# KiCad board LV_PCB.kicad_pcb (continued)
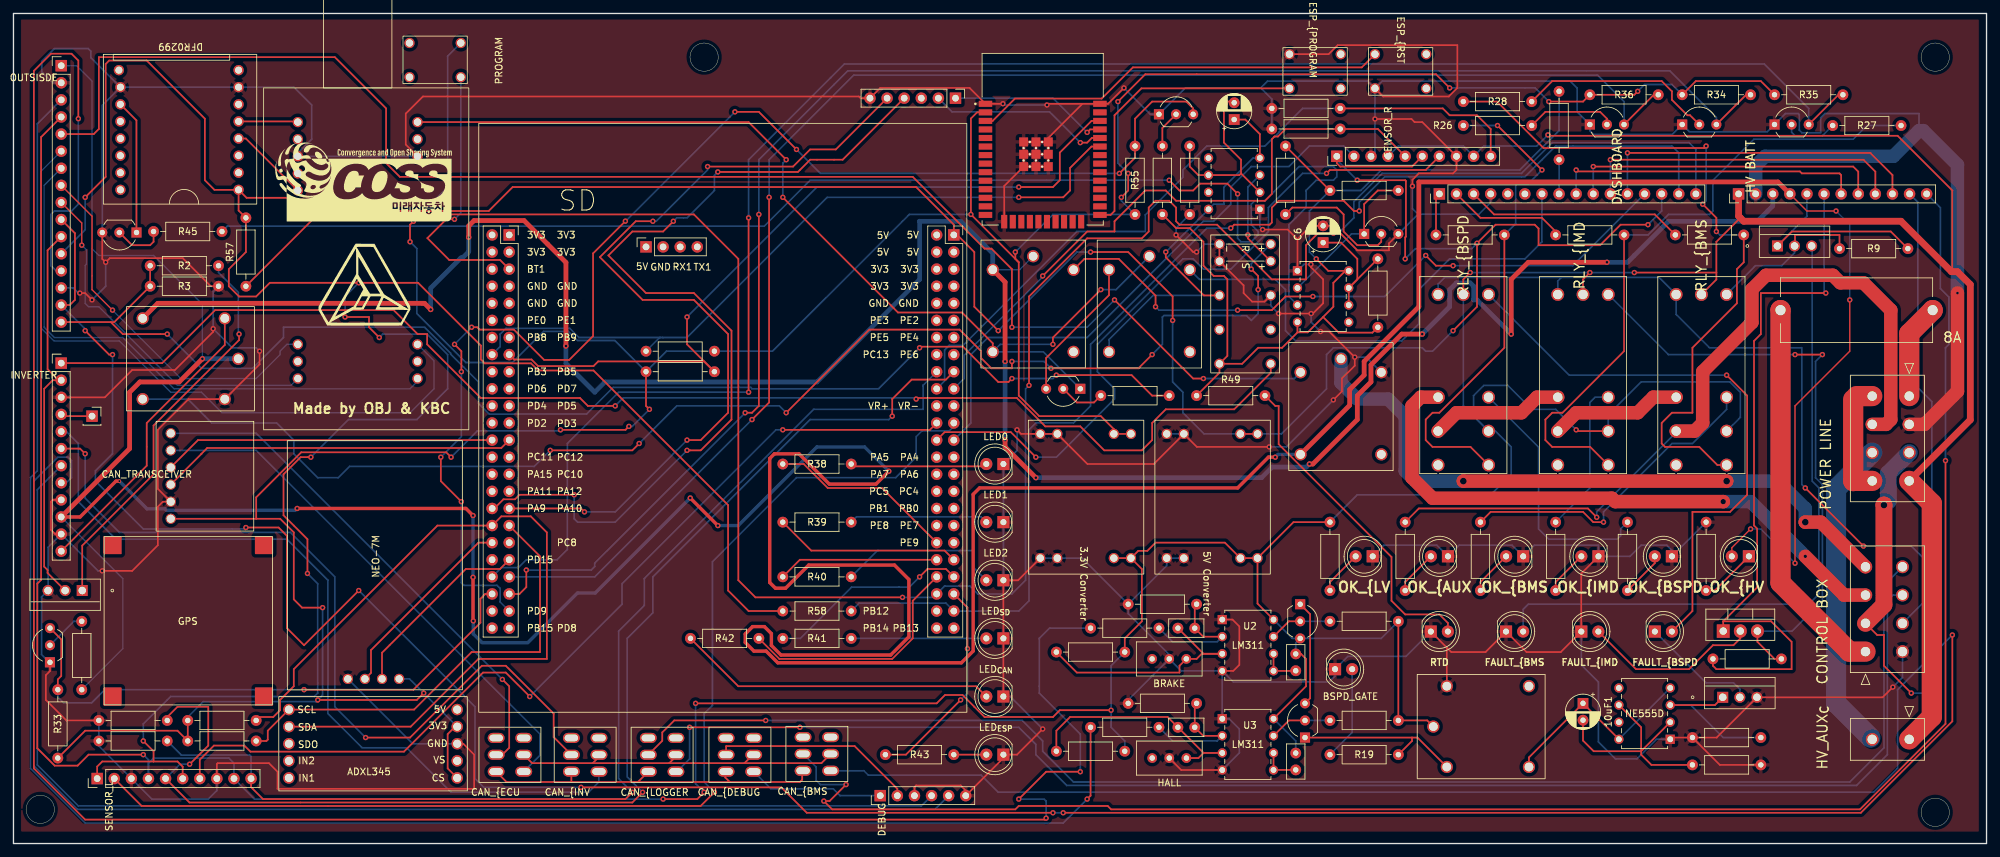
[diagram p0: board, top side]
## Routing (per net, layer and track width the routed paths; a pad name or vN(x,y) marks a point on that pad's centre or on a via; arc(x,y) is an arc through that point) (continued)
RTD_BUTTON: length 76.5
  Bottom w0.25: DASHBOARD.7 227.06,89.41 224.52,86.87 213.34,86.87 208.77,82.3 208.77,77.22 206.23,74.68 190.48,74.68 188.96,76.2 188.96,82.3 187.44,83.82 176.18,83.82 K5.6
RTD_LED: length 5.1
  Bottom w0.25: R48.2 DASHBOARD.8
RTD_RESET: length 204.4
  Top w0.25: v1(184.9,82.3) 184.9,84.33 v1(183.88,85.34) ; v1(154.12,70.61) 167.12,70.61 v1(169.15,72.64) ; v1(92.95,59.44) 91.93,58.42 v1(79.74,58.42) ; v1(114.79,64.01) 127.14,76.36 140.54,76.36 143.75,73.15 143.75,72.14 145.27,70.61 148.32,70.61 v1(148.32,71.63)
  Bottom w0.25: v1(184.9,82.3) 184.9,78.74 183.88,77.72 183.16,78.45 170.89,78.45 170.67,78.23 170.67,74.17 v1(169.15,72.64) ; v1(114.79,64.01) 113.78,65.02 98.54,65.02 v1(92.95,59.44) ; v1(183.88,85.34) 183.88,86.17 186.77,89.06 ; v1(154.12,70.61) 153.11,71.63 v1(148.32,71.63) ; v1(79.74,58.42) 77.36,56.04 49.93,56.04 48.24,54.36 45.2,54.36 41.64,57.91 41.64,59.94 39.1,62.48 29.45,62.48 25.9,66.03 K3.1
SPK_L+: length 100.2
  Bottom w0.2: OUTSISDE.6 4.05,99.82 4.05,76.65 6.02,74.68 15.73,74.68 23.35,67.06 27.92,67.06 30.97,64.01 58.91,64.01 62.47,67.56 62.47,71.72 U8.3
SPK_L-: length 84.8
  Bottom w0.2: OUTSISDE.7 4.56,97.79 4.56,76.71 6.08,75.18 16.24,75.18 23.86,67.56 58.91,67.56 60.02,68.68 U8.4
SPK_R+: length 55.8
  Top w0.2: v1(14.72,79.25) 11.67,82.3 11.67,93.22 OUTSISDE.8
  Bottom w0.2: v1(14.72,79.25) 24.88,69.09 36.05,69.09 39.61,72.64 39.61,73.15 40.62,74.17 42.24,74.17
SPK_R-: length 53.7
  Top w0.2: v1(10.14,88.9) 10.14,92.2 OUTSISDE.9
  Bottom w0.2: 42.24,69.09 41.23,68.07 24.37,68.07 12.68,79.76 11.16,79.76 10.65,80.26 10.65,85.88 10.84,86.07 10.84,88.2 v1(10.14,88.9)
STM_{RX}: length 127
  Top w0.25: U15.69 84.31,49.78 v1(84.82,49.28) ; v1(94.98,92.46) 92.44,92.46 87.11,87.12 93.46,80.77 101.08,80.77 106.16,75.69 106.16,64.01 102.09,59.94 v1(100.06,59.94) ; v1(103.11,100.58) 115.81,100.58 118.35,103.12 122.16,103.12 J11.5
  Bottom w0.25: v1(103.11,100.58) 103.11,100.08 95.49,92.46 v1(94.98,92.46) ; v1(84.82,49.28) 89.39,49.28 v1(100.06,59.94)
STM_{TX}: length 137.5
  Top w0.25: v1(104.63,99.78) 116.53,99.78 118.35,101.6 123.17,101.6 J11.4 ; v1(83.3,51.82) 75.17,51.82 74.5,51.15 72.79,51.15 71.42,49.78 U15.68 ; v1(98.03,92.46) 96.5,90.93 91.93,90.93 88.38,87.38 93.96,81.79 101.08,81.79 106.66,76.2 106.66,62.99 102.09,58.42 v1(100.06,58.42)
  Bottom w0.25: v1(83.3,51.82) 83.3,48.26 83.8,47.75 89.39,47.75 v1(100.06,58.42) ; v1(98.03,92.46) 98.54,92.96 100.06,92.96 104.12,97.03 104.12,99.28 v1(104.63,99.78)
SW_{RTD_EN}: length 98
  Top w0.25: v1(209.79,87.38) 211.31,85.85 v1(213.85,85.85) ; v1(193.02,81.28) 188.96,81.28 186.93,79.25 v1(181.85,79.25) ; v1(169.66,79.76) 169.66,81.41 164.2,86.87 159.09,86.87 K4.6
  Bottom w0.25: v1(213.85,85.85) 231.63,85.85 DASHBOARD.13 ; v1(209.79,87.38) 203.69,81.28 v1(193.02,81.28) ; v1(181.85,79.25) 170.16,79.25 v1(169.66,79.76)
Net-(10uF1-Pad1): length 31.1
  Top w0.25: U1.8 10uF1.1 225.12,12.8 K1.14
  Bottom w0.25: U1.4 U1.8
Net-(10uF1-Pad2): length 35.4
  Top w0.25: 10uF1.2 233.16,15.3 234.74,13.72 241.79,13.72 ; 241.79,13.72 241.79,17.27 U1.6 ; 241.79,13.72 U1.2 ; 241.79,13.72 241.79,13.21 243.32,11.68 R18.1
Net-(C1-Pad2): length 5.9
  Top w0.25: C1.2 190.46,25.65 U2.5 U2.6
Net-(C2-Pad2): length 5.9
  Top w0.25: C2.2 187.2,10.94 U3.5 U3.6
Net-(C3-Pad1): length 18.8
  Top w0.25: R22.1 175.48,35.29 C3.1 176.75,30.73 U2.2
  Bottom w0.25: U2.2 178.8,29.97 172.2,29.97 R29.1
Net-(C3-Pad2): length 35.8
  Top w0.25: C3.2 176.79,28.19 U2.3 176.51,28.19 175.75,27.43 RV1.1 173.21,26.42 173.21,25.4 157.97,25.4 R30.1
Net-(C4-Pad1): length 18.8
  Top w0.25: R23.1 175.48,20.55 C4.1 176.75,16 U3.2
  Bottom w0.25: U3.2 178.8,15.24 172.2,15.24 R32.1
Net-(C4-Pad2): length 33.6
  Top w0.25: 176.79,13.46 C4.2 171.45,18.8 156.96,18.8 154.92,16.76 R31.1 ; 176.79,13.46 176.03,12.7 174.23,12.7 ; 176.79,13.46 U3.3
Net-(C5-Pad1): length 61.6
  Top w0.25: v1(171.18,87.89) 171.18,87.1 176.83,81.44 K6.13 ; U13.4 185.15,105.41 182.99,107.57 C5.1
  Bottom w0.25: K5.14 162.75,74.88 169.31,81.44 K6.13 ; U13.4 184.13,101.85 179.82,97.54 179.82,95 178.29,95 U13.8 177.53,94.23 171.19,87.89 v1(171.18,87.89)
Net-(C5-Pad2): length 28.6
  Top w0.25: C5.2 181.17,110.24 179.82,110.24 179.82,104.14 182.36,101.6 182.36,99.57 ; 182.36,99.57 U13.2 ; 182.36,99.57 182.1,99.31 U13.6 176.01,99.31 174.74,100.58 R44.2
Net-(C6-Pad1): length 19.6
  Top w0.25: U14.7 U14.6 ; U14.7 199.63,83.82 199.63,86.87 197.22,89.28 C6.1 ; U14.7 R46.1
Net-(D1-Pad2): length 6.7
  Top w0.25: R1.2 195.56,38.86 D1.2
Net-(D2-Pad2): length 100.3
  Bottom w0.25: Q2.3 267.19,88.71 267.19,53.85 268.21,52.83 268.21,37.08 266.68,35.56 225.03,35.56 224.26,34.79 D2.2
Net-(D3-Pad2): length 6.7
  Top w0.25: D3.2 206.74,38.86 R4.2
Net-(D4-Pad2): length 6.7
  Top w0.25: R10.2 217.92,38.86 221.73,42.67
Net-(D5-Pad2): length 26.4
  Top w0.25: 235.44,31.5 241.03,25.91 248.9,25.91 252.46,29.46 255.51,29.46 256.52,30.48 Q3.2
Net-(D6-Pad2): length 6.7
  Top w0.25: D6.2 229.09,38.86 R13.2
Net-(D7-Pad1): length 17.4
  Bottom w0.25: D7.1 251.44,23.88 255.51,23.88 256.45,22.93 Q4.2
Net-(D7-Pad2): length 87.6
  Top w0.25: D7.2 249.41,34.54 249.41,49.28 255,49.28 257.54,51.82 257.54,66.55 v1(254.49,69.6)
  Bottom w0.25: v1(254.49,69.6) 231.11,69.6 RLY3.2
Net-(D8-Pad2): length 6.8
  Top w0.25: R15.2 243.82,41.66 D8.2
Net-(D9-Pad2): length 14.1
  Bottom w0.25: D9.2 198.86,16.51 R19.2
Net-(D10-Pad1): length 8.5
  Top w0.25: R25.1 252.72,37.59 D10.1
Net-(D11-Pad2): length 20.4
  Top w0.25: D11.2 144.17,56.04 124.79,56.04 R38.2
Net-(D12-Pad2): length 20.7
  Bottom w0.25: D12.2 143.72,48.55 125.24,48.55 R39.2
Net-(D13-Pad2): length 25
  Bottom w0.25: R40.2 128.35,43.53 142.63,43.53 142.63,41 D13.2
Net-(D14-Pad2): length 20.1
  Bottom w0.25: D14.2 R41.2
Net-(D15-Pad2): length 47.5
  Top w0.25: R42.2 107.68,23.37 142.99,23.37 D15.2
Net-(D16-Pad2): length 5.1
  Top w0.25: R43.2 144.76,13.21
Net-(D17-Pad2): length 49.6
  Top w0.25: R49.2 187.44,65.02 187.94,65.02 187.94,59.33 204.71,42.57 204.71,36.07 206.74,34.04 211.82,34.04 213.09,32.77 D17.2
Net-(J1-Pad4): length 4.7
  Top w0.25: INVERTER.4 7.36,63.5 J12.1
Net-(J1-Pad7): length 181.9
  Bottom w0.25: DEBUG.4 134.86,5.59 9.64,5.59 3.54,11.68 3.54,52.58 INVERTER.7
Net-(J1-Pad8): length 193.4
  Bottom w0.25: DEBUG.5 136.89,5.08 9.51,5.08 3.03,11.56 3.03,53.85 6.59,57.4 8.11,57.4 8.62,56.9 8.62,54.36 7.86,53.6 INVERTER.8
Net-(J2-Pad7): length 46
  Top w0.25: v1(232.14,100.08) 232.36,99.86 265.38,99.86 265.67,99.57 271.26,99.57 271.5,99.32 HV BATT.7
  Bottom w0.25: v1(232.14,100.08) DASHBOARD.9
Net-(J2-Pad8): length 47
  Top w0.25: v1(234.68,100.58) 273.29,100.58 274.04,99.83 274.04,96.52
  Bottom w0.25: v1(234.68,100.58) DASHBOARD.10
Net-(J2-Pad9): length 48.5
  Top w0.25: v1(237.22,101.6) 274.81,101.6 276.59,99.83 HV BATT.9
  Bottom w0.25: v1(237.22,101.6) DASHBOARD.11
Net-(J2-Pad10): length 49.6
  Top w0.25: HV BATT.10 279.12,99.32 275.83,102.62 v1(239.76,102.62)
  Bottom w0.25: v1(239.76,102.62) DASHBOARD.12
Net-(K1-Pad2): length 26.3
  Top w0.25: 207.76,15.75 207.76,15.24 R19.1 ; 207.76,15.75 Q6.1 ; 207.76,15.75 208.56,15.75 K1.2
Net-(K4-Pad14): length 149.4
  Top w0.25: v1(114.28,96.01) 131.4,78.9 140.9,78.9 145.48,74.33 K4.14 ; v1(154.41,74.17) 154.41,75.18 v1(161.53,82.3) ; v1(114.79,101.6) 109.2,107.19 U8.1
  Bottom w0.25: v1(114.79,101.6) 114.28,101.09 v1(114.28,96.01) ; Q11.1 152.99,73.06 K4.14 146.59,74.17 v1(154.41,74.17) ; K5.7 163.79,82.3 v1(161.53,82.3)
Net-(K5-Pad2): length 21.6
  Top w0.25: K5.2 162.75,81.48 153.4,72.14 Q11.3
Net-(K6-Pad2): length 14.9
  Top w0.25: 186.77,86.52 183.37,89.92 v1(183.37,90.42)
  Bottom w0.25: v1(183.37,90.42) 183.37,97.54 U13.3
Net-(K6-Pad9): length 143.2
  Top w0.25: R47.1 172.7,91.44 174.74,91.44 176.77,89.41 176.77,85.85 178.29,84.33 179.82,84.33 180.32,83.82 180.32,72.45 K6.9 ; R49.1 179.15,69.95 K6.9 ; R51.2 R50.2 ; 190.74,75.95 U14.4 ; 190.74,75.95 188.45,73.66 184.9,73.66 182.52,71.28 K6.9 ; 190.74,75.95 192.26,75.95 194.55,78.23 ; 194.55,78.23 196.87,75.91 201.88,75.91 R46.2 ; 194.55,78.23 196.07,79.76 196.07,83.31 197.85,85.09 U14.8 195.31,85.09 v1(193.53,86.87)
  Bottom w0.25: v1(193.53,86.87) 192.52,87.88 192.52,93.98 R50.2 200.14,97.03 203.18,100.08 223.76,100.08 229.6,105.92 R48.1
Net-(Q1-Pad1): length 58.7
  Top w0.25: 10.22,38.03 10.22,44.27 20.81,54.86 20.81,62.1 33.51,74.8 v1(33.51,75.69)
  Bottom w0.25: v1(33.51,75.69) 33.4,75.8 33.4,81.9 30.46,84.84 R2.1
Net-(Q2-Pad2): length 24
  Top w0.25: R9.2 271.26,90.42 264.65,90.42 264.65,88.86 Q2.2
  Bottom w0.25: RLY1.2 258.76,85.85 262.66,85.85 264.58,87.77 Q2.2
Net-(Q3-Pad3): length 90.6
  Top w0.25: Q3.3 259.06,29.97 261.6,27.43 R12.1 ; v1(268.72,72.64) v1(264.65,72.64)
  Bottom w0.25: v1(264.65,72.64) 245.84,72.64 RLY2.2 ; Q3.3 264.22,31.57 268.72,36.07 268.72,53.34 267.7,54.36 267.7,71.63 v1(268.72,72.64)
Net-(Q4-Pad1): length 23.7
  Top w0.25: U1.3 252.76,20.57 Q4.1
  Bottom w0.25: R17.2 253.98,15.75 249.16,20.57 U1.3
Net-(Q5-Pad1): length 15.7
  Top w0.25: Q5.1 192.61,34.09 192.61,21.58 Q6.3
Net-(Q5-Pad2): length 9.3
  Top w0.25: Q5.2 189.47,33.02 U2.7
  Bottom w0.25: Q5.2 R20.2
Net-(Q6-Pad2): length 9.3
  Top w0.25: U3.7 189.47,18.29 Q6.2
  Bottom w0.25: Q6.2 R21.1
Net-(Q7-Pad2): length 6.2
  Bottom w0.25: Q7.2 8.98,33.02 R24.2
Net-(Q8-Pad2): length 29.6
  Top w0.25: Q8.2 249.05,108.2 248.66,108.2 246.36,110.5 246.36,111.76 244.84,113.28 228.58,113.28 R28.2
Net-(Q9-Pad2): length 8.1
  Bottom w0.25: R27.2 268.72,105.16 264.65,105.16 264.14,105.66 Q9.2
Net-(Q10-Pad2): length 13.3
  Top w0.25: R26.2 227.57,108.71 235.7,108.71 236.71,107.7 Q10.2
Net-(Q11-Pad2): length 6.9
  Top w0.25: R37.2 160.51,65.53 157.97,65.53 Q11.2
Net-(Q12-Pad1): length 20
  Top w0.25: 15.89,109.83 18.27,107.45 Q12.1
Net-(Q12-Pad2): length 7.6
  Top w0.25: R45.1 20.81,89.41 20.3,88.9 17.62,88.9 Q12.2
Net-(Q13-Pad1): length 23.6
  Top w0.25: R50.1 202.68,97.03 200.64,95 Q13.1
  Bottom w0.25: U14.2 198.76,90.57 Q13.1
Net-(Q13-Pad2): length 19.8
  Top w0.25: Q13.2 203.18,89.41 202.68,88.9 199.63,88.9 197.6,90.93 197.6,93.47 196.58,94.49 189.98,94.49 R51.1
Net-(Q14-Pad2): length 5.6
  Top w0.25: Q14.2 170.67,106.32 R47.2
Net-(R10-Pad1): length 47.5
  Top w0.25: R10.1 219.44,49.28 233.16,49.28 234.68,47.75 v1(236.2,47.75)
  Bottom w0.25: v1(236.2,47.75) 236.2,49.28 246.36,59.44 249.41,59.44 254.49,64.52 RLY1.5
Net-(R11-Pad1): length 105.9
  Top w0.25: RLY1.6 253.12,56.24 250.43,58.93 245.35,58.93 244.84,59.44 244.84,62.48 246.36,64.01 249.41,64.01 249.41,73.66 256.02,80.26 256.02,85.34 257.03,86.36 R11.1 ; v1(250.94,95) 252.97,92.96 v1(252.97,90.93) ; v1(251.44,103.63) 251.15,103.34 227.29,103.34 220.39,110.24 R28.1
  Bottom w0.25: v1(250.94,95) 251.44,95.5 v1(251.44,103.63) ; v1(252.97,90.93) 253.48,90.42 R11.1
Net-(R13-Pad1): length 22.9
  Bottom w0.25: R13.1 234.17,52.83 234.17,65.53 234.96,66.32 RLY2.5
Net-(R14-Pad1): length 97.6
  Top w0.25: R14.1 239.25,73.15 230.11,64.01 228.58,64.01 227.57,62.99 227.57,59.94 228.58,58.93 234.22,58.93 RLY2.6
  Bottom w0.25: R14.1 242.81,90.42 245.86,93.47 251.95,93.47 252.46,93.98 252.46,98.55 258.56,104.65 273.29,104.65 275.32,106.68 R27.1
Net-(R15-Pad1): length 38.1
  Bottom w0.25: RLY3.5 226.55,58.89 226.55,46.74 228.08,45.21 238.24,45.21 238.74,45.72 238.74,46.74 R15.1
Net-(R16-Pad1): length 74.2
  Top w0.25: R16.1 221.47,73.66 211.82,64.01 210.8,64.01 209.79,62.99 209.79,59.94 210.8,58.93 216.44,58.93 RLY3.6 ; v1(227.06,100.08) v1(220.46,106.68)
  Bottom w0.25: v1(227.06,100.08) 225.03,98.04 223.31,98.04 223.15,97.89 223.15,92.11 R16.1 ; v1(220.46,106.68) R26.1
Net-(R38-Pad1): length 27.7
  Top w0.25: R38.1 117.4,56.39 120.95,52.83 129.02,52.83 U15.41
Net-(R39-Pad1): length 27.7
  Top w0.25: U15.42 138.32,43.53 118.51,43.53 R39.1
Net-(R40-Pad1): length 23.9
  Top w0.25: R40.1 116.82,42.16 U15.43
Net-(R41-Pad1): length 30.2
  Top w0.25: v1(134.6,39.62) 135.78,40.8 138.51,40.8 U15.44
  Bottom w0.25: v1(134.6,39.62) 133.08,38.1 124.51,38.1 116.89,30.48 R41.1
Net-(R42-Pad1): length 36
  Top w0.25: U15.45 133.59,36.07 133.59,30.48 130.54,27.43 113.78,27.43 R42.1
Net-(R43-Pad1): length 31.6
  Top w0.25: R43.1 132.57,13.21 v1(140.7,21.34) ; v1(141.72,28.96) 141.72,35.05 U15.46
  Bottom w0.25: v1(141.72,28.96) 141.72,22.35 v1(140.7,21.34)
Net-(R45-Pad2): length 211.2
  Top w0.25: v1(171.69,98.55) 173.21,97.03 175.24,97.03 176.26,98.04 180.32,98.04 v1(181.85,96.52)
  Bottom w0.25: R45.2 31.77,91.73 111.53,91.73 118.35,98.55 v1(171.69,98.55) ; v1(181.85,96.52) 181.85,89.92 182.36,89.41 183.88,89.41 184.9,90.42 184.9,90.93 183.88,91.95 183.88,95 184.39,95.5 185.91,95.5 190.99,100.58 196.07,100.58 196.58,100.08 196.58,99.06 196.07,98.55 193.53,98.55 192.01,97.03 192.01,94.49 189.47,91.95 189.47,81.28 U14.3
Net-(RLY1-Pad8): length 19.7
  Top w2: RLY1.8 243.6,66.32 241.28,64.01 232.13,64.01 RLY2.7
Net-(RLY2-Pad8): length 19.9
  Top w2: RLY3.7 214.35,64.01 224.01,64.01 226.32,66.32 RLY2.8
Net-(SW2-Pad2): length 62
  Top w0.25: U11.3 145.45,107.37 148.77,110.68 161.65,110.68 166.29,115.32 200.29,115.32 SW2.2
Net-(SW3-Pad1): length 53.6
  Top w0.25: 106.22,9.14 106.16,9.14 116.82,9.14 117.17,9.49 117.17,10.69 ; SW5.1 92.76,9.14 ; SW4.1 82.88,9.23 82.79,9.14 ; 105.74,10.69 105.74,9.82 106.41,9.14 92.19,9.14 ; SW6.1 73.25,9.14 82.79,9.14 ; 82.79,9.14 92.44,9.14
Net-(SW3-Pad4): length 51.6
  Top w0.25: 86.04,11.94 97.42,11.94 ; 86.04,11.94 77.05,11.94 SW6.4 ; 86.04,11.94 86.98,12.88 SW4.4 ; 97.42,11.94 108.59,11.94 ; 97.42,11.94 98.41,12.93 SW5.4 ; 108.59,11.94 120.02,11.94 121.27,13.19 ; 108.59,11.94 109.84,13.19
Net-(SW6-Pad3): length 77.4
  Top w0.25: v1(72.63,24.38) 73.64,23.37 73.64,14.22 72.61,13.19 SW6.3
  Bottom w0.25: CAN_TRANSCEIVER.6 36.06,60.95 v1(72.63,24.38)
Net-(SW6-Pad6): length 78.9
  Bottom w0.25: SW6.6 78.22,13.1 78.22,16.26 36.06,58.41 CAN_TRANSCEIVER.5
Net-(SW8-Pad1): length 44.3
  Top w0.25: U11.25 162.98,93.4 163.56,93.98 163.56,108.2 167.55,112.2 SW8.1
Net-(SW9-Pad2): length 40.7
  Top w0.25: U15.94 72.28,86.71 64.73,86.71 61.49,89.95 64.29,92.75 v1(65.52,92.75)
  Bottom w0.25: v1(65.52,92.75) 66.45,93.68 PROGRAM.2
Net-(U12-Pad4): length 12
  Top w0.25: 42.24,97.03 34.52,104.75 U12.4
Net-(U12-Pad5): length 8.8
  Top w0.25: 42.24,107.19 42.14,107.29 U12.5

## Copper pours and planes (outline as drawn; the poured copper is in the pictures)
BRAKE_{GND} on Top, Bottom: 291.96,1.78 1.13,1.78 1.13,122.43 291.96,122.43

## Text on the board
F.Silkscreen: Made by OBJ & KBC
